# Altium PCB FMC_ADC_100M_10B_16CHA_TDC.PcbDoc (part 8 of 12)
Units mil, origin at the board's own origin, x right, y up, seen from the top; angles counter-clockwise.
Board outline 3037.39 x 2716.54 mil, 6 copper layers (TOP, G1, L2, L3, P3, BOTTOM), stack 50.475 mil thick; 720 components, 633 nets, 2798 pads, 1593 vias.
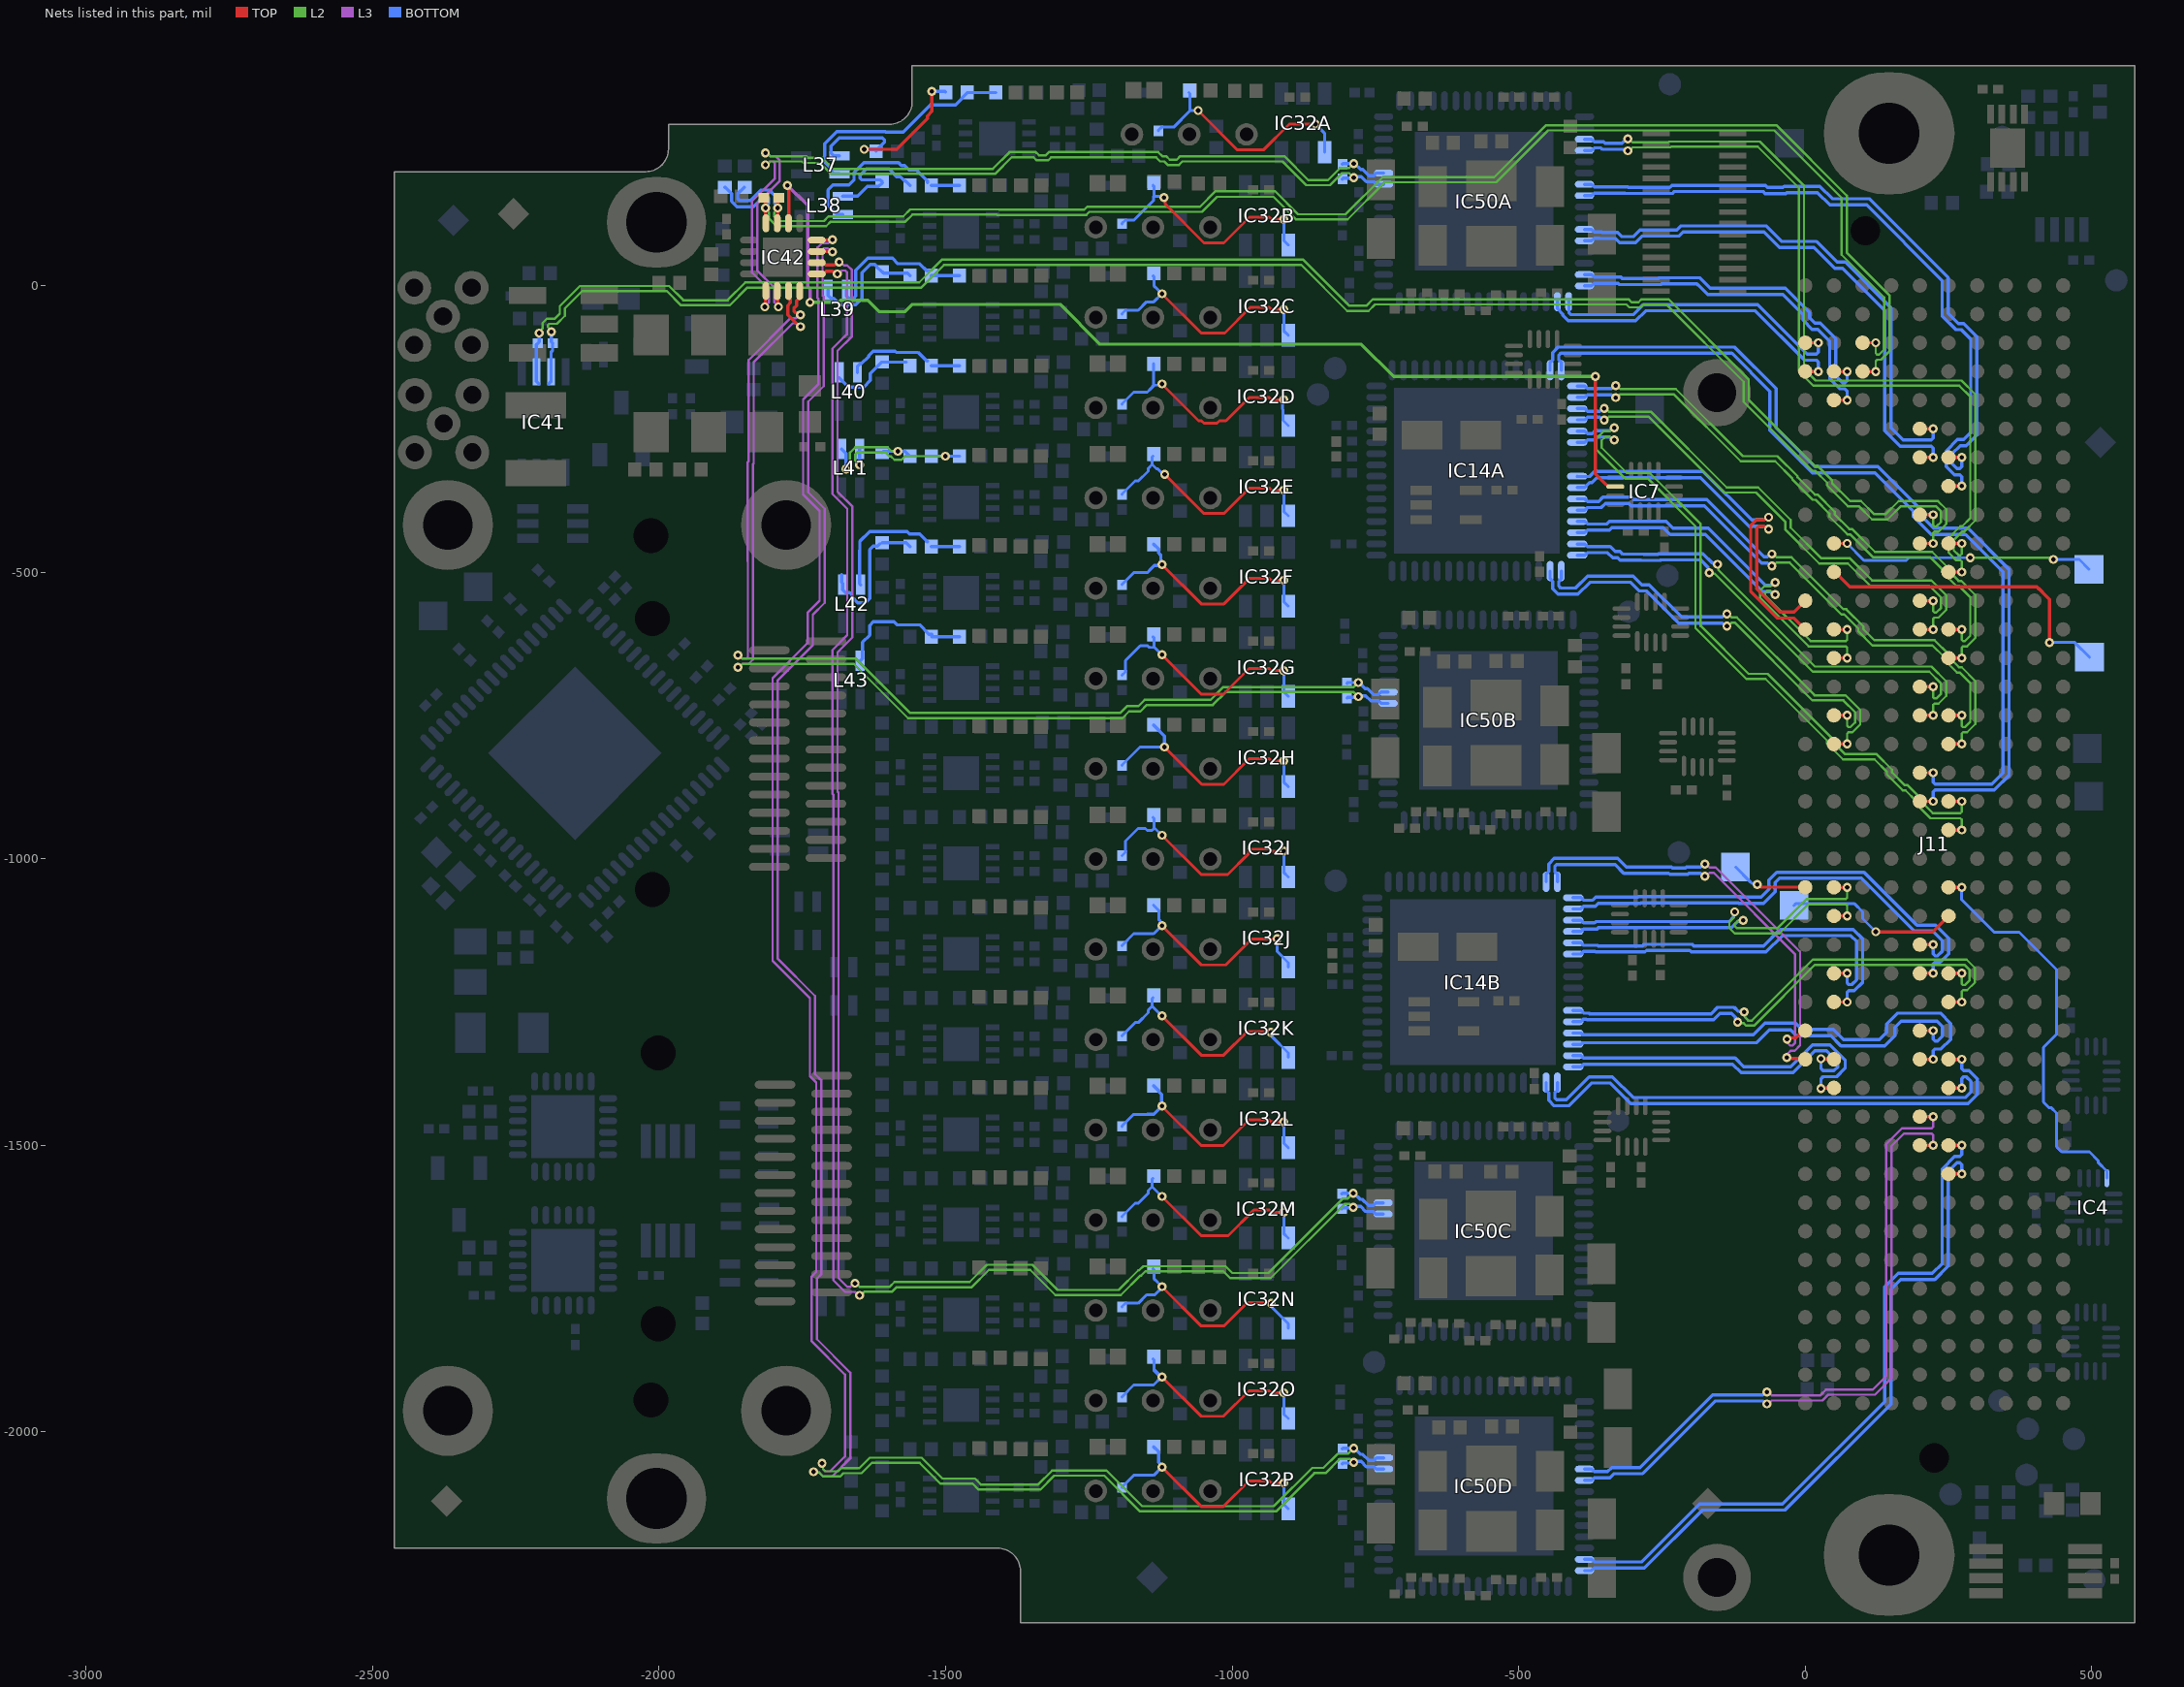
[diagram p12: the nets of this part, all layers, seen from the top]

## Via types
v1: diameter 15.75, hole 7.87, TOP to BOTTOM, tented both sides, 1528 vias
v2: diameter 23.62, hole 11.81, TOP to BOTTOM, tented both sides, 39 vias
v3: diameter 23.62, hole 7.87, TOP to BOTTOM, tented both sides, 26 vias

## Nets (pads, with @x,y where several pads share a name; then routed paths per layer and width w, separated by ;. In a path a pad name is that pad's centre, name@x,y a point inside that pad or via, vN(x,y) a via of type N, cw(c..) or ccw(c..) an arc to the next point about the centre after c; other vN are vias at no path point) (continued)
HA08_N: IC50D.7 J11.f11 | length 1142.4
  TOP w5.71: J11.f11@200,-1450 v1(223,-1450)
  L3 w4: v1(-66.68,-1930.33) -64.33,-1930.33 -58.46,-1936.21 26.29,-1936.21 36.37,-1926.13 117.91,-1926.13 141.23,-1902.8 141.23,-1498 168.74,-1470.5 220.66,-1470.5 223,-1468.16 v1(223,-1450)
  BOTTOM w5.71: IC50D.7@-385.31,-2064.9 -372.83,-2064.9 -368.35,-2069.38 -345.04,-2069.38 -337.85,-2062.19 -288.21,-2062.19 -161.36,-1935.35 -74.41,-1935.35 -69.39,-1930.33 v1(-66.68,-1930.33)
HA08_P: IC50D.8 J11.f10 | length 1142.4
  TOP w5.71: J11.f10@200,-1500 v1(223,-1500)
  L3 w4: v1(-66.68,-1951.08) -64.33,-1951.08 -58.46,-1945.21 30.02,-1945.21 40.1,-1935.13 121.64,-1935.13 150.23,-1906.53 150.23,-1501.73 172.47,-1479.5 220.66,-1479.5 223,-1481.84 v1(223,-1500)
  BOTTOM w5.71: IC50D.8@-385.31,-2084.58 -372.83,-2084.58 -368.35,-2080.09 -340.6,-2080.09 -333.41,-2072.9 -283.77,-2072.9 -156.93,-1946.06 -74.41,-1946.06 -69.39,-1951.08 v1(-66.68,-1951.08)
HA09_N: IC50D.15 J11.e10 | length 1207.8
  TOP w5.71: J11.e10@250,-1500 v1(273,-1500)
  BOTTOM w5.71: IC50D.15@-385.31,-2222.38 -372.83,-2222.38 -368.35,-2226.86 -285.35,-2226.86 -184.21,-2125.72 -39.9,-2125.72 138.73,-1947.09 138.73,-1746.87 162.05,-1723.56 221.69,-1723.56 238.92,-1706.32 238.92,-1541.2 260.48,-1519.64 269.65,-1519.64 273,-1516.3 v1(273,-1500)
HA09_P: IC50D.16 J11.e9 | length 1207.8
  TOP w5.71: J11.e9@250,-1550 v1(273,-1550)
  BOTTOM w5.71: IC50D.16@-385.31,-2242.06 -372.83,-2242.06 -368.35,-2237.57 -280.91,-2237.57 -179.77,-2136.43 -35.46,-2136.43 149.44,-1951.53 149.44,-1751.31 166.48,-1734.27 226.13,-1734.27 249.64,-1710.76 249.64,-1545.64 264.92,-1530.36 269.65,-1530.36 273,-1533.7 v1(273,-1550)
HA10_N: IC14B.16 J11.k14 | length 727.5
  TOP w5.71: v1(-31.89,-1314.63) -29.97,-1312.71 -17.23,-1312.71 -4.52,-1300 J11.k14@0,-1300
  L3 w4: v1(-175,-1030.38) -172.66,-1030.38 -166.78,-1024.5 -159.84,-1024.5 -18.01,-1166.33 -18.01,-1321.79 -22.54,-1326.31 -25.85,-1326.31 -29.64,-1322.53 -29.64,-1316.87 v1(-31.89,-1314.63)
  BOTTOM w5.71: IC14B.16@-432.48,-1040.41 -432.48,-1026.95 -436.97,-1022.46 -436.97,-1013.62 -433.62,-1010.27 -331.91,-1010.27 -316.82,-1025.36 -238.2,-1025.36 -236.37,-1027.18 -204.68,-1027.18 -202.86,-1025.36 -182.73,-1025.36
HA10_P: IC14B.15 J11.k13 | length 770.4
  TOP w5.71: v1(-32,-1347) -30.5,-1348.5 -1.5,-1348.5 J11.k13@0,-1350
  L3 w4: v1(-175,-1009.63) -172.66,-1009.63 -166.78,-1015.5 -156.11,-1015.5 -9.01,-1162.6 -9.01,-1325.52 -18.81,-1335.31 -25.85,-1335.31 -29.75,-1339.21 -29.75,-1344.75 v1(-32,-1347)
  BOTTOM w5.71: IC14B.15@-452.17,-1040.41 -452.17,-1026.95 -447.68,-1022.46 -447.68,-1009.18 -438.06,-999.56 -327.47,-999.56 -312.38,-1014.65 -233.76,-1014.65 -231.94,-1016.47 -209.12,-1016.47 -207.29,-1014.65 -182.73,-1014.65
HA11_N: IC14B.32 J11.j13 | length 575.3
  TOP w5.71: v1(27.43,-1349.06) 27.9,-1349.53 49.53,-1349.53 J11.j13@50,-1350
  BOTTOM w5.71: IC14B.32@-404.92,-1363.24 -391.46,-1363.24 -386.98,-1358.76 -126.7,-1358.76 -112.02,-1373.44 -21.05,-1373.44 17.01,-1335.38 37.01,-1335.38 57.03,-1355.41 57.03,-1362.76 50.16,-1369.64 35.51,-1369.64 30.78,-1369.64 27.43,-1366.29 v1(27.43,-1349.06)
HA11_P: IC14B.31 J11.j12 | length 613.4
  TOP w5.71: v1(27.43,-1400.93) 27.9,-1400.47 49.53,-1400.47 J11.j12@50,-1400
  BOTTOM w5.71: IC14B.31@-404.92,-1343.56 -391.46,-1343.56 -386.98,-1348.04 -122.27,-1348.04 -107.58,-1362.73 -25.48,-1362.73 12.58,-1324.67 43.27,-1324.67 69.61,-1351.01 69.61,-1365.34 54.59,-1380.35 39.95,-1380.35 30.78,-1380.35 27.43,-1383.7 v1(27.43,-1400.93)
HA12_N: IC14B.30 J11.f14 | length 771.6
  TOP w5.71: J11.f14@200,-1300 v1(223,-1300)
  BOTTOM w5.71: IC14B.30@-404.92,-1323.87 -391.46,-1323.87 -388.66,-1321.07 -84.58,-1321.07 -62.41,-1298.9 -25.37,-1298.9 -15.37,-1308.9 44.51,-1308.9 62.05,-1326.44 138.71,-1326.44 156.25,-1308.9 156.25,-1294.51 167.2,-1283.56 229.81,-1283.56 239.44,-1293.19 239.44,-1309.6 231.08,-1317.96 226.35,-1317.96 223,-1314.62 v1(223,-1300)
HA12_P: IC14B.29 J11.f13 | length 819.1
  TOP w5.71: J11.f13@200,-1350 v1(223,-1350)
  BOTTOM w5.71: IC14B.29@-404.92,-1304.19 -391.46,-1304.19 -388.66,-1306.99 -90.41,-1306.99 -70.57,-1287.16 -17.21,-1287.16 -6.18,-1298.19 48.94,-1298.19 66.48,-1315.73 129.52,-1315.73 142.17,-1303.07 142.17,-1288.68 161.37,-1269.48 235.64,-1269.48 253.52,-1287.36 253.52,-1315.43 236.91,-1332.04 226.35,-1332.04 223,-1335.38 v1(223,-1350)
HA13_N: IC14B.34 J11.e13 | length 923.5
  TOP w5.71: J11.e13@250,-1350 v1(273,-1350)
  BOTTOM w5.71: IC14B.34@-452.17,-1390.8 -452.17,-1404.26 -447.68,-1408.75 -447.68,-1421.55 -438.06,-1431.17 -412.42,-1431.17 -372.5,-1391.26 -340.91,-1391.26 -304.78,-1427.38 284.03,-1427.38 300.16,-1411.25 300.16,-1384.28 285.52,-1369.64 276.35,-1369.64 273,-1366.3 v1(273,-1350)
HA13_P: IC14B.33 J11.e12 | length 870.2
  TOP w5.71: J11.e12@250,-1400 v1(273,-1400)
  BOTTOM w5.71: IC14B.33@-432.48,-1390.8 -432.48,-1404.26 -436.97,-1408.75 -436.97,-1417.11 -433.62,-1420.46 -416.86,-1420.46 -376.94,-1380.54 -336.47,-1380.54 -300.35,-1416.66 279.59,-1416.66 289.44,-1406.81 289.44,-1388.72 281.08,-1380.36 276.35,-1380.36 273,-1383.7 v1(273,-1400)
HA14_N: IC14B.22 J11.j16 | length 642.5
  TOP w5.71: J11.j16@50,-1200 v1(73,-1200)
  BOTTOM w5.71: IC14B.22@-404.92,-1166.39 -391.46,-1166.39 -386.98,-1161.91 -366.65,-1161.91 -365.68,-1162.87 -279.7,-1162.87 -276.96,-1160.13 -201.69,-1160.13 -198.95,-1162.87 -68.66,-1162.87 -40.06,-1134.27 79.52,-1134.27 89.44,-1144.2 89.44,-1211.28 81.08,-1219.64 76.35,-1219.64 73,-1216.3 v1(73,-1200)
HA14_P: IC14B.21 J11.j15 | length 678
  TOP w5.71: J11.j15@50,-1250 v1(73,-1250)
  BOTTOM w5.71: IC14B.21@-404.92,-1146.71 -391.46,-1146.71 -386.98,-1151.19 -362.21,-1151.19 -361.24,-1152.16 -284.13,-1152.16 -281.4,-1149.42 -197.25,-1149.42 -194.51,-1152.16 -73.1,-1152.16 -44.5,-1123.56 83.95,-1123.56 100.16,-1139.76 100.16,-1215.72 85.52,-1230.36 76.35,-1230.36 73,-1233.7 v1(73,-1250)
HA15_N: IC14B.18 J11.f17 | length 800.2
  TOP w5.71: J11.f17@200,-1150 v1(223,-1150)
  BOTTOM w5.71: IC14B.18@-404.92,-1087.65 -391.46,-1087.65 -386.98,-1083.17 -366.41,-1083.17 -360.92,-1077.68 -287.23,-1077.68 -286.67,-1077.12 -116.64,-1077.12 -116.08,-1077.68 -72.51,-1077.68 -52.54,-1057.71 -52.54,-1041.6 -45.21,-1034.27 98.22,-1034.27 190.39,-1126.44 222.7,-1126.44 239.44,-1143.19 239.44,-1161.28 231.08,-1169.64 226.35,-1169.64 223,-1166.3 v1(223,-1150)
HA15_P: IC14B.17 J11.f16 | length 835.7
  TOP w5.71: J11.f16@200,-1200 v1(223,-1200)
  BOTTOM w5.71: IC14B.17@-404.92,-1067.97 -391.46,-1067.97 -386.98,-1072.45 -370.85,-1072.45 -365.36,-1066.96 -291.67,-1066.96 -291.11,-1066.4 -112.2,-1066.4 -111.64,-1066.96 -76.95,-1066.96 -63.25,-1053.27 -63.25,-1037.16 -49.65,-1023.56 102.66,-1023.56 194.83,-1115.73 227.14,-1115.73 250.16,-1138.75 250.16,-1165.72 235.52,-1180.36 226.35,-1180.36 223,-1183.7 v1(223,-1200)
HA16_N: IC14B.28 J11.e16 | length 835.3
  TOP w5.71: J11.e16@250,-1200 v1(273,-1200)
  L2 w4: v1(-118.01,-1285.03) -116.35,-1286.69 -108.04,-1286.69 -103.34,-1291.4 -89.43,-1291.4 16.84,-1185.13 277.75,-1185.13 286.87,-1194.25 286.87,-1212.28 278.66,-1220.5 275.34,-1220.5 273,-1218.16 v1(273,-1200)
  BOTTOM w5.71: IC14B.28@-404.92,-1284.5 -391.46,-1284.5 -387.14,-1280.18 -381.98,-1280.18 -380.95,-1281.21 -159.77,-1281.21 -148.65,-1270.09 -128.44,-1270.09 -121.66,-1276.86 -121.66,-1278.66 -118.01,-1282.32 v1(-118.01,-1285.03)
HA16_P: IC14B.27 J11.e15 | length 868.2
  TOP w5.71: J11.e15@250,-1250 v1(273,-1250)
  L2 w4: v1(-106.42,-1267.28) -104.76,-1268.94 -104.76,-1277.24 -99.61,-1282.4 -93.16,-1282.4 13.11,-1176.13 281.47,-1176.13 295.87,-1190.53 295.87,-1216.01 282.38,-1229.5 275.34,-1229.5 273,-1231.84 v1(273,-1250)
  BOTTOM w5.71: IC14B.27@-404.92,-1264.82 -391.46,-1264.82 -386.81,-1269.47 -377.55,-1269.47 -376.52,-1270.5 -164.21,-1270.5 -153.09,-1259.38 -124,-1259.38 -117.17,-1266.2 -107.49,-1266.2 v1(-106.42,-1267.28)
HA18_N: IC14B.20 J11.j19 | length 586.6
  TOP w5.71: J11.j19@50,-1050 v1(73,-1050)
  L2 w4: v1(-108.48,-1107.52) -110.14,-1109.17 -118.45,-1109.17 -123.36,-1114.08 -123.36,-1117.4 -119.36,-1121.39 -48.72,-1121.39 2.17,-1070.5 70.66,-1070.5 73,-1068.16 v1(73,-1050)
  BOTTOM w5.71: IC14B.20@-404.92,-1127.02 -391.46,-1127.02 -386.98,-1122.54 -363.08,-1122.54 -361.05,-1120.51 -128.57,-1120.51 -117.5,-1109.44 -110.4,-1109.44 v1(-108.48,-1107.52)
HA18_P: IC14B.19 J11.j18 | length 600.1
  TOP w5.71: J11.j18@50,-1100 v1(73,-1100)
  L2 w4: v1(-123.15,-1092.85) -124.81,-1094.5 -124.81,-1102.81 -132.36,-1110.36 -132.36,-1121.13 -123.09,-1130.39 -44.99,-1130.39 5.9,-1079.5 70.66,-1079.5 73,-1081.84 v1(73,-1100)
  BOTTOM w5.71: IC14B.19@-404.92,-1107.34 -391.46,-1107.34 -386.98,-1111.82 -367.51,-1111.82 -365.49,-1109.79 -133.01,-1109.79 -125.07,-1101.86 -125.07,-1094.77 v1(-123.15,-1092.85)
HA20_N: IC4.8 J11.e19 | length 710.3
  TOP w5.71: J11.e19@250,-1050 v1(273,-1050)
  BOTTOM w5: v1(273,-1050) 273,-1071.74 329.76,-1128.5 373.25,-1128.5 438.37,-1193.63 438.37,-1306.37 415.48,-1329.26 415.48,-1424.55 425.02,-1434.09 428.84,-1434.09 438.37,-1443.63 438.37,-1502.49 447.47,-1511.59 495.9,-1511.59 510.82,-1526.51 510.82,-1529.67 526.29,-1545.15 IC4.8@526.29,-1557.38
HA20_P: J11.e18 TP37.1 | length 309.4
  TOP w5.71: v1(123,-1127.57) 222.43,-1127.57 J11.e18@250,-1100
  BOTTOM w5: TP37.1@-19.68,-1081.62 -16.85,-1078.79 86.1,-1078.79 100.16,-1092.85 100.16,-1104.73 v1(123,-1127.57)
HA21_P: J11.k19 TP38.1 | length 136.4
  TOP w5: v1(-83.62,-1044.99) -78.62,-1050 J11.k19@0,-1050
  BOTTOM w5: TP38.1@-121.66,-1014.65 -96.38,-1039.93 -96.38,-1040.14 -93.45,-1043.07 -85.54,-1043.07 v1(-83.62,-1044.99)
halfA: IC32A.1 R66A.1 R68A.2 | length 423.7
  TOP w5: v1(-1059.45,305.07) -990.84,236.45 -945.46,236.45 -900.47,281.44 v1@-858.66,281.44 ; v1@-856.69,279.47 v1@-854.73,277.51
  BOTTOM w5: R66A.1@-1128.93,269.63 -1128.93,270.42 -1123.16,276.19 -1102.01,276.19 -1073.6,304.6 -1073.6,306.45 ; R68A.2@-1075.2,336.56 -1073.6,334.96 -1073.6,316.18 -1073.6,306.45 ; v1(-1059.45,305.07) -1072.21,305.07 -1073.6,306.45 ; v1(-854.73,281.44) -838.98,265.7 IC32A.1@-838.98,232.49
halfB: IC32B.1 R66B.1 R68B.2 | length 432.2
  TOP w5: v1(-1119.13,153.45) -1117.08,151.4 -1117.08,142.26 -1049.31,74.49 -1014.51,74.49 -969.89,119.1 -954.95,119.1 -947.83,119.1 -935.09,119.1 -931.53,115.54 v1(-909.96,115.54)
  BOTTOM w5: R66B.1@-1192.04,107.66 -1192.04,108.45 -1186.27,114.22 -1171.24,114.22 -1137.18,148.28 -1137.18,155.36 -1136.59,155.95 -1136.59,172.88 R68B.2@-1138.31,174.59 ; -1135.41,155.95 -1134.54,155.95 -1134.1,155.51 -1121.19,155.51 v1(-1119.13,153.45) ; v1(-909.96,115.54) -909.96,78.4 IC32B.1@-902.09,70.52
halfC: IC32C.1 R66C.1 R68C.2 | length 431.9
  TOP w5: v1(-1122.56,-14.38) -1053.95,-82.99 -1013.03,-82.99 -968.42,-38.38 -935.09,-38.38 -931.53,-41.94 v1(-909.96,-41.94)
  BOTTOM w5: R66C.1@-1192.04,-49.82 -1192.04,-49.03 -1186.27,-43.26 -1163.94,-43.26 -1149.31,-28.62 -1136.8,-28.62 v1(-1122.56,-14.38) -1129.62,-7.33 -1136.59,-0.35 -1136.59,15.4 R68C.2@-1138.31,17.11 ; v1(-909.96,-41.94) -909.96,-79.08 IC32C.1@-902.09,-86.96
halfD: IC32D.1 R66D.1 R68D.2 | length 427.3
  TOP w5: v1(-1122.56,-171.86) -1058.52,-235.91 -1053.87,-235.91 -1049.31,-240.47 -1026.78,-240.47 -1022.22,-235.91 -1010.81,-235.91 -970.76,-195.86 -935.09,-195.86 -931.53,-199.42 v1(-909.96,-199.42)
  BOTTOM w5: R66D.1@-1192.04,-207.3 -1192.04,-206.51 -1171.64,-186.1 -1148.13,-186.1 -1141.67,-179.64 ; -1137.13,-175.1 -1135.95,-173.92 -1124.62,-173.92 v1(-1122.56,-171.86) ; v1@-911.83,-205.43 -911.83,-216.13 -911.4,-216.56 -911.4,-235.13 IC32D.1@-902.09,-244.44
  BOTTOM w5.71: -1141.67,-179.64 -1137.13,-175.1 R68D.2@-1137.13,-136.43
halfE: IC32E.1 R66E.1 R68E.2 | length 425.8
  TOP w5: v1(-1117.74,-329.34) -1117.74,-329.51 -1049.31,-397.95 -1014.51,-397.95 -969.89,-353.34 -935.09,-353.34 -931.53,-356.9 v1(-909.96,-356.9)
  BOTTOM w5: R66E.1@-1192.04,-364.78 -1192.04,-363.99 -1169.12,-341.06 -1163.71,-341.06 -1146.56,-323.91 -1146.56,-319.29 -1139.59,-312.32 ; R68E.2@-1138.31,-297.85 -1139.59,-299.12 -1139.59,-312.32 ; v1(-1117.74,-329.34) -1120.41,-329.34 -1129.95,-319.8 -1132.1,-319.8 -1139.59,-312.32 ; v1(-909.96,-356.9) -909.96,-394.04 IC32E.1@-902.09,-401.92
halfF: IC32F.1 R66F.1 R68F.2 | length 436
  TOP w5: v1(-1122.56,-486.82) -1053.95,-555.43 -1014.18,-555.43 -971.63,-512.88 -971.63,-511.69 -970.76,-510.82 -935.09,-510.82 -931.53,-514.38 v1(-909.96,-514.38)
  BOTTOM w5: R66F.1@-1192.04,-522.26 -1192.04,-521.47 -1171.64,-501.06 -1148.13,-501.06 -1141.67,-494.6 ; v1(-909.96,-514.38) -909.96,-551.53 IC32F.1@-902.09,-559.4
  BOTTOM w5.71: -1141.67,-494.6 -1135.81,-488.74 -1124.48,-488.74 v1(-1122.56,-486.82) -1124.48,-484.9 -1124.48,-470.76 -1128.57,-466.68 -1128.57,-459.95 R68F.2@-1137.13,-451.39
halfG: IC32G.1 R66G.1 R68G.2 | length 436.3
  TOP w5: v1(-1122.56,-644.3) -1053.95,-712.91 -1015.38,-712.91 -970.76,-668.3 -935.09,-668.3 -931.53,-671.86 v1(-909.96,-671.86)
  BOTTOM w5: R66G.1@-1192.04,-679.74 -1186.27,-673.97 -1186.27,-654.35 -1160.3,-628.38 -1147.57,-628.38 -1144.49,-631.46 -1136.59,-631.46 -1136.59,-614.53 R68G.2@-1138.31,-612.81 ; -1135.41,-631.46 v1(-1122.56,-644.3) ; v1(-909.96,-671.86) -909.96,-709.01 IC32G.1@-902.09,-716.88
halfH: IC32H.1 R66H.1 R68H.2 | length 438.9
  TOP w5: v1(-1118.12,-805.19) -1052.91,-870.39 -1014.65,-870.39 -971.63,-827.37 -971.63,-827.16 -970.24,-825.78 -935.09,-825.78 -931.53,-829.34 v1(-909.96,-829.34)
  BOTTOM w5: R66H.1@-1192.04,-837.22 -1192.04,-836.43 -1160.8,-805.19 -1120.57,-805.19 v1@-1119.86,-804.48 ; v1(-909.96,-829.34) -909.96,-866.49 IC32H.1@-902.09,-874.36
  BOTTOM w5.71: R68H.2@-1137.13,-766.35 -1137.13,-767.14 -1118.12,-786.15 -1118.12,-802.74 v1@-1119.86,-804.48 ; v1@-1120.57,-805.19 v1(-1118.12,-805.19)
halfI: IC32I.1 R66I.1 R68I.2 | length 441.5
  TOP w5: v1(-1122.56,-959.26) -1053.95,-1027.88 -1007.88,-1027.88 -971.63,-991.63 -971.63,-984.13 -970.76,-983.26 -935.09,-983.26 -931.53,-986.82 v1(-909.96,-986.82)
  BOTTOM w5: R66I.1@-1192.04,-994.7 -1186.27,-988.93 -1186.27,-969.31 -1164.24,-947.28 -1151.5,-947.28 -1148.26,-950.53 -1139.52,-950.53 -1136.59,-947.6 -1136.59,-929.49 R68I.2@-1138.31,-927.77 ; -1135.41,-946.42 v1(-1122.56,-959.26) ; v1(-909.96,-986.82) -909.96,-1023.97 IC32I.1@-902.09,-1031.84
halfJ: IC32J.1 R66J.1 R68J.2 | length 426.7
  TOP w5: v1(-1122.56,-1116.75) -1053.95,-1185.36 -1011.14,-1185.36 -965.78,-1140 -921.83,-1140 v1(-921.65,-1139.82)
  BOTTOM w5: R66J.1@-1192.04,-1152.18 -1192.04,-1151.39 -1171.64,-1130.99 -1136.8,-1130.99 v1(-1122.56,-1116.75) ; R68J.2@-1137.13,-1081.31 -1128.21,-1090.23 -1128.21,-1105.88 v1@-1122.56,-1111.53 ; v1(-921.65,-1139.82) -921.65,-1161.88 -902.09,-1181.45 IC32J.1@-902.09,-1189.32
halfK: IC32K.1 R66K.1 R68K.2 | length 409.1
  TOP w5: v1(-1122.56,-1274.23) -1053.95,-1342.84 -1014.8,-1342.84 -973.58,-1301.61 -933.61,-1301.61 v1(-932.38,-1302.85)
  BOTTOM w5: R66K.1@-1192.04,-1309.66 -1192.04,-1308.87 -1169.12,-1285.95 -1163.71,-1285.95 -1146.56,-1268.79 -1146.56,-1264.17 -1139.59,-1257.2 ; R68K.2@-1138.31,-1242.73 -1139.59,-1244 -1139.59,-1257.2 ; v1(-1122.56,-1274.23) -1139.59,-1257.2 ; v1(-932.38,-1302.85) -930.32,-1304.9 -930.32,-1310.7 -902.09,-1338.93 IC32K.1@-902.09,-1346.8
halfL: IC32L.1 R66L.1 R68L.2 | length 436.2
  TOP w5: v1(-1122.56,-1431.71) -1053.95,-1500.32 -1015.38,-1500.32 -970.76,-1455.7 -935.09,-1455.7 -931.53,-1459.26 v1(-909.96,-1459.26)
  BOTTOM w5: R66L.1@-1192.04,-1467.14 -1192.04,-1466.35 -1171.64,-1445.95 -1148.14,-1445.95 -1147.78,-1445.59 ; v1(-909.96,-1459.26) -909.96,-1496.41 IC32L.1@-902.09,-1504.28
  BOTTOM w5.71: -1148.14,-1445.59 -1147.78,-1445.59 -1136.45,-1445.59 v1@-1123.47,-1432.61 ; R68L.2@-1137.13,-1396.27 -1128.57,-1404.83 -1128.57,-1405.78 -1123.47,-1410.87 v1@-1123.47,-1432.61 ; v1(-1122.56,-1431.71) v1@-1123.47,-1432.61
halfM: IC32M.1 R66M.1 R68M.2 | length 425.7
  TOP w5: v1(-1122.56,-1589.19) -1053.95,-1657.8 -1007.05,-1657.8 -962.44,-1613.18 -935.09,-1613.18 -931.53,-1616.75 v1(-909.96,-1616.75)
  BOTTOM w5: R66M.1@-1192.04,-1624.62 -1192.04,-1623.83 -1169.12,-1600.91 -1163.71,-1600.91 -1146.56,-1583.75 -1146.56,-1579.13 -1139.59,-1572.16 ; R68M.2@-1138.31,-1557.69 -1139.59,-1558.96 -1139.59,-1572.16 ; v1(-1122.56,-1589.19) -1139.59,-1572.16 ; v1(-909.96,-1616.75) -909.96,-1653.89 IC32M.1@-902.09,-1661.76
halfN: IC32N.1 R66N.1 R68N.2 | length 415.5
  TOP w5: v1(-1122.56,-1746.67) -1053.95,-1815.28 -1014.5,-1815.28 -973.27,-1774.05 -933.61,-1774.05 v1(-931.76,-1775.9)
  BOTTOM w5: R66N.1@-1192.04,-1782.1 -1192.04,-1781.31 -1186.27,-1775.54 -1163.94,-1775.54 -1149.31,-1760.91 -1134.91,-1760.91 -1121.61,-1747.61 v1(-1122.56,-1746.67) ; R68N.2@-1138.31,-1715.17 -1136.59,-1716.89 -1136.59,-1732.41 -1129.51,-1739.49 -1129.62,-1739.61 -1135.41,-1733.82 ; v1(-931.76,-1775.9) -929.7,-1777.96 -929.7,-1783.76 -902.09,-1811.37 IC32N.1@-902.09,-1819.24
halfO: IC32O.1 R66O.1 R68O.2 | length 448.6
  TOP w5: v1(-1122.56,-1904.15) -1053.95,-1972.76 -1015.38,-1972.76 -970.76,-1928.14 -935.09,-1928.14 -931.53,-1931.71 v1(-909.96,-1931.71)
  BOTTOM w5: R66O.1@-1192.04,-1939.58 -1192.04,-1938.79 -1171.64,-1918.39 -1137.31,-1918.39 -1124,-1905.07 -1136.59,-1892.48 -1136.59,-1874.37 R68O.2@-1138.31,-1872.65 ; -1135.41,-1891.3 v1(-1122.56,-1904.15) ; v1(-909.96,-1931.71) -909.96,-1968.85 IC32O.1@-902.09,-1976.72
halfP: IC32P.1 R66P.1 R68P.2 | length 435.3
  TOP w5: v1(-1122.56,-2061.63) -1053.95,-2130.24 -1015.38,-2130.24 -970.76,-2085.62 -935.09,-2085.62 -931.53,-2089.19 v1(-909.96,-2089.19)
  BOTTOM w5: R66P.1@-1192.04,-2097.06 -1192.04,-2096.27 -1171.64,-2075.87 -1136.8,-2075.87 v1(-1122.56,-2061.63) ; v1(-909.96,-2089.19) -909.96,-2126.33 IC32P.1@-902.09,-2134.2
  BOTTOM w5.71: R68P.2@-1137.13,-2026.19 -1128.57,-2034.75 -1128.57,-2052.91 -1122.56,-2058.91 v1(-1122.56,-2061.63)
HB01_N: IC14A.34 J11.j25 | length 749
  TOP w5.71: J11.j25@50,-750 v1(73,-750)
  L2 w4: v1(-136.62,-593.98) -134.27,-593.98 -128.4,-588.11 -123.25,-588.11 12.52,-723.87 66.49,-723.87 86.87,-744.25 86.87,-762.28 78.66,-770.5 75.34,-770.5 73,-768.16 v1(73,-750)
  BOTTOM w5.71: IC14A.34@-445.28,-498.24 -445.28,-511.7 -440.79,-516.19 -440.79,-528.97 -431.17,-538.59 -396.57,-538.59 -375.77,-517.79 -304.67,-517.79 -289.5,-532.95 -276.54,-532.95 -220.53,-588.96 -144.35,-588.96 -139.33,-593.98 v1(-136.62,-593.98)
HB01_P: IC14A.33 J11.j24 | length 761
  TOP w5.71: J11.j24@50,-800 v1(73,-800)
  L2 w4: v1(-136.62,-573.23) -134.27,-573.23 -128.4,-579.11 -119.52,-579.11 16.25,-714.87 70.22,-714.87 95.87,-740.53 95.87,-766.01 82.38,-779.5 75.34,-779.5 73,-781.84 v1(73,-800)
  BOTTOM w5.71: IC14A.33@-425.59,-498.24 -425.59,-511.7 -430.08,-516.19 -430.08,-524.53 -426.73,-527.87 -401.01,-527.87 -380.21,-507.08 -300.23,-507.08 -285.07,-522.24 -272.1,-522.24 -216.09,-578.25 -144.35,-578.25 -139.33,-573.23 v1(-136.62,-573.23)
HB02_N: IC14A.16 J11.f23 | length 1529.2
  TOP w5.71: J11.f23@200,-850 v1(223,-850)
  BOTTOM w5.71: IC14A.16@-425.59,-147.85 -425.59,-134.39 -430.08,-129.9 -430.08,-121.56 -426.73,-118.22 -128.16,-118.22 -61.84,-184.53 -61.84,-252.55 12.41,-326.81 122.05,-326.81 188.73,-393.48 188.73,-403.13 219.87,-434.27 279.52,-434.27 344.8,-499.55 344.8,-850.45 325.6,-869.64 226.35,-869.64 223,-866.3 v1(223,-850)
HB02_P: IC14A.15 J11.f22 | length 1582.4
  TOP w5.71: J11.f22@200,-900 v1(223,-900)
  BOTTOM w5.71: IC14A.15@-445.28,-147.85 -445.28,-134.39 -440.79,-129.9 -440.79,-117.12 -431.17,-107.5 -123.72,-107.5 -51.13,-180.09 -51.13,-248.12 16.85,-316.09 126.49,-316.09 199.44,-389.05 199.44,-398.69 224.31,-423.56 283.95,-423.56 355.51,-495.11 355.51,-854.89 330.04,-880.36 226.35,-880.36 223,-883.7 v1(223,-900)
HB03_N: IC14A.22 J11.e22 | length 1158
  TOP w5.71: J11.e22@250,-900 v1(273,-900)
  L2 w4: v1(-333.14,-269.35) -335.48,-269.35 -341.36,-263.47 -348.3,-263.47 -355.26,-270.43 -355.26,-283.16 -311.29,-327.13 -271.69,-327.13 -182.59,-416.23 -182.59,-594.04 -99.14,-677.49 -65.75,-677.49 46.87,-790.11 46.87,-794.91 69.64,-817.67 124.44,-817.67 151.38,-844.62 151.38,-849.42 173.82,-871.86 178.62,-871.86 202.4,-895.64 202.4,-900.43 222.47,-920.5 270.66,-920.5 273,-918.16 v1(273,-900)
  BOTTOM w5.71: IC14A.22@-398.03,-273.83 -384.57,-273.83 -380.09,-269.35 -367.31,-269.35 -362.29,-264.33 -340.87,-264.33 -335.86,-269.35 v1(-333.14,-269.35)
HB03_P: IC14A.21 J11.e21 | length 1187.9
  TOP w5.71: J11.e21@250,-950 v1(273,-950)
  L2 w4: v1(-333.14,-248.6) -335.48,-248.6 -341.36,-254.47 -352.03,-254.47 -364.26,-266.7 -364.26,-286.88 -315.02,-336.13 -275.41,-336.13 -191.59,-419.95 -191.59,-597.77 -102.87,-686.49 -69.48,-686.49 37.87,-793.84 37.87,-798.64 65.91,-826.67 120.71,-826.67 142.38,-848.35 142.38,-853.15 170.09,-880.86 174.89,-880.86 193.4,-899.36 193.4,-904.16 218.74,-929.5 270.66,-929.5 273,-931.84 v1(273,-950)